# KiCad board MozzaSpacer.kicad_pcb
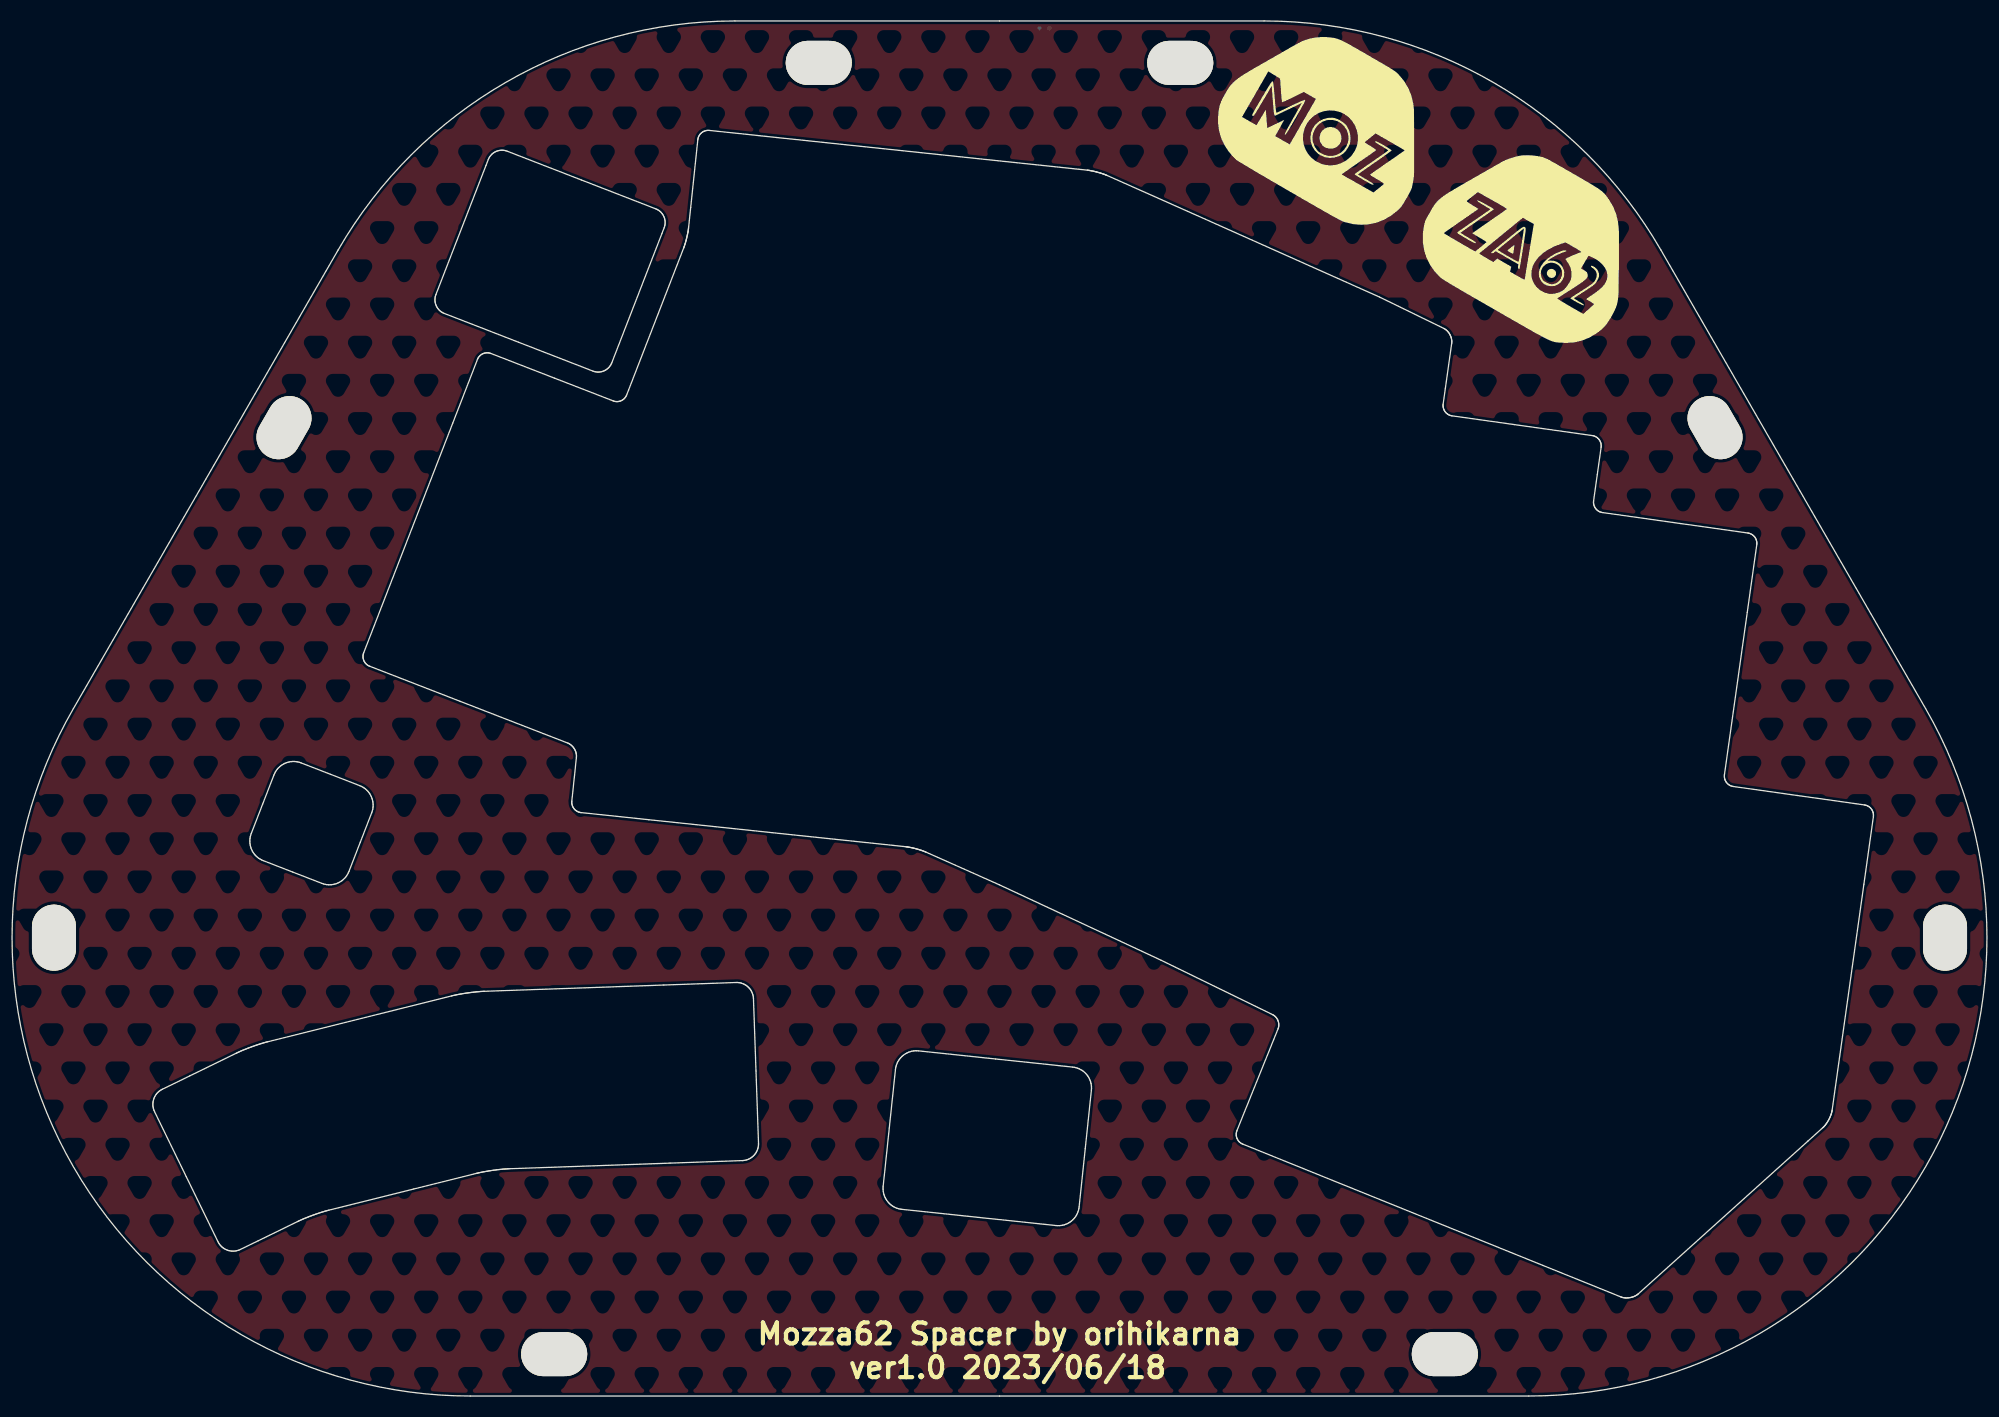
[diagram p0: board, top side]
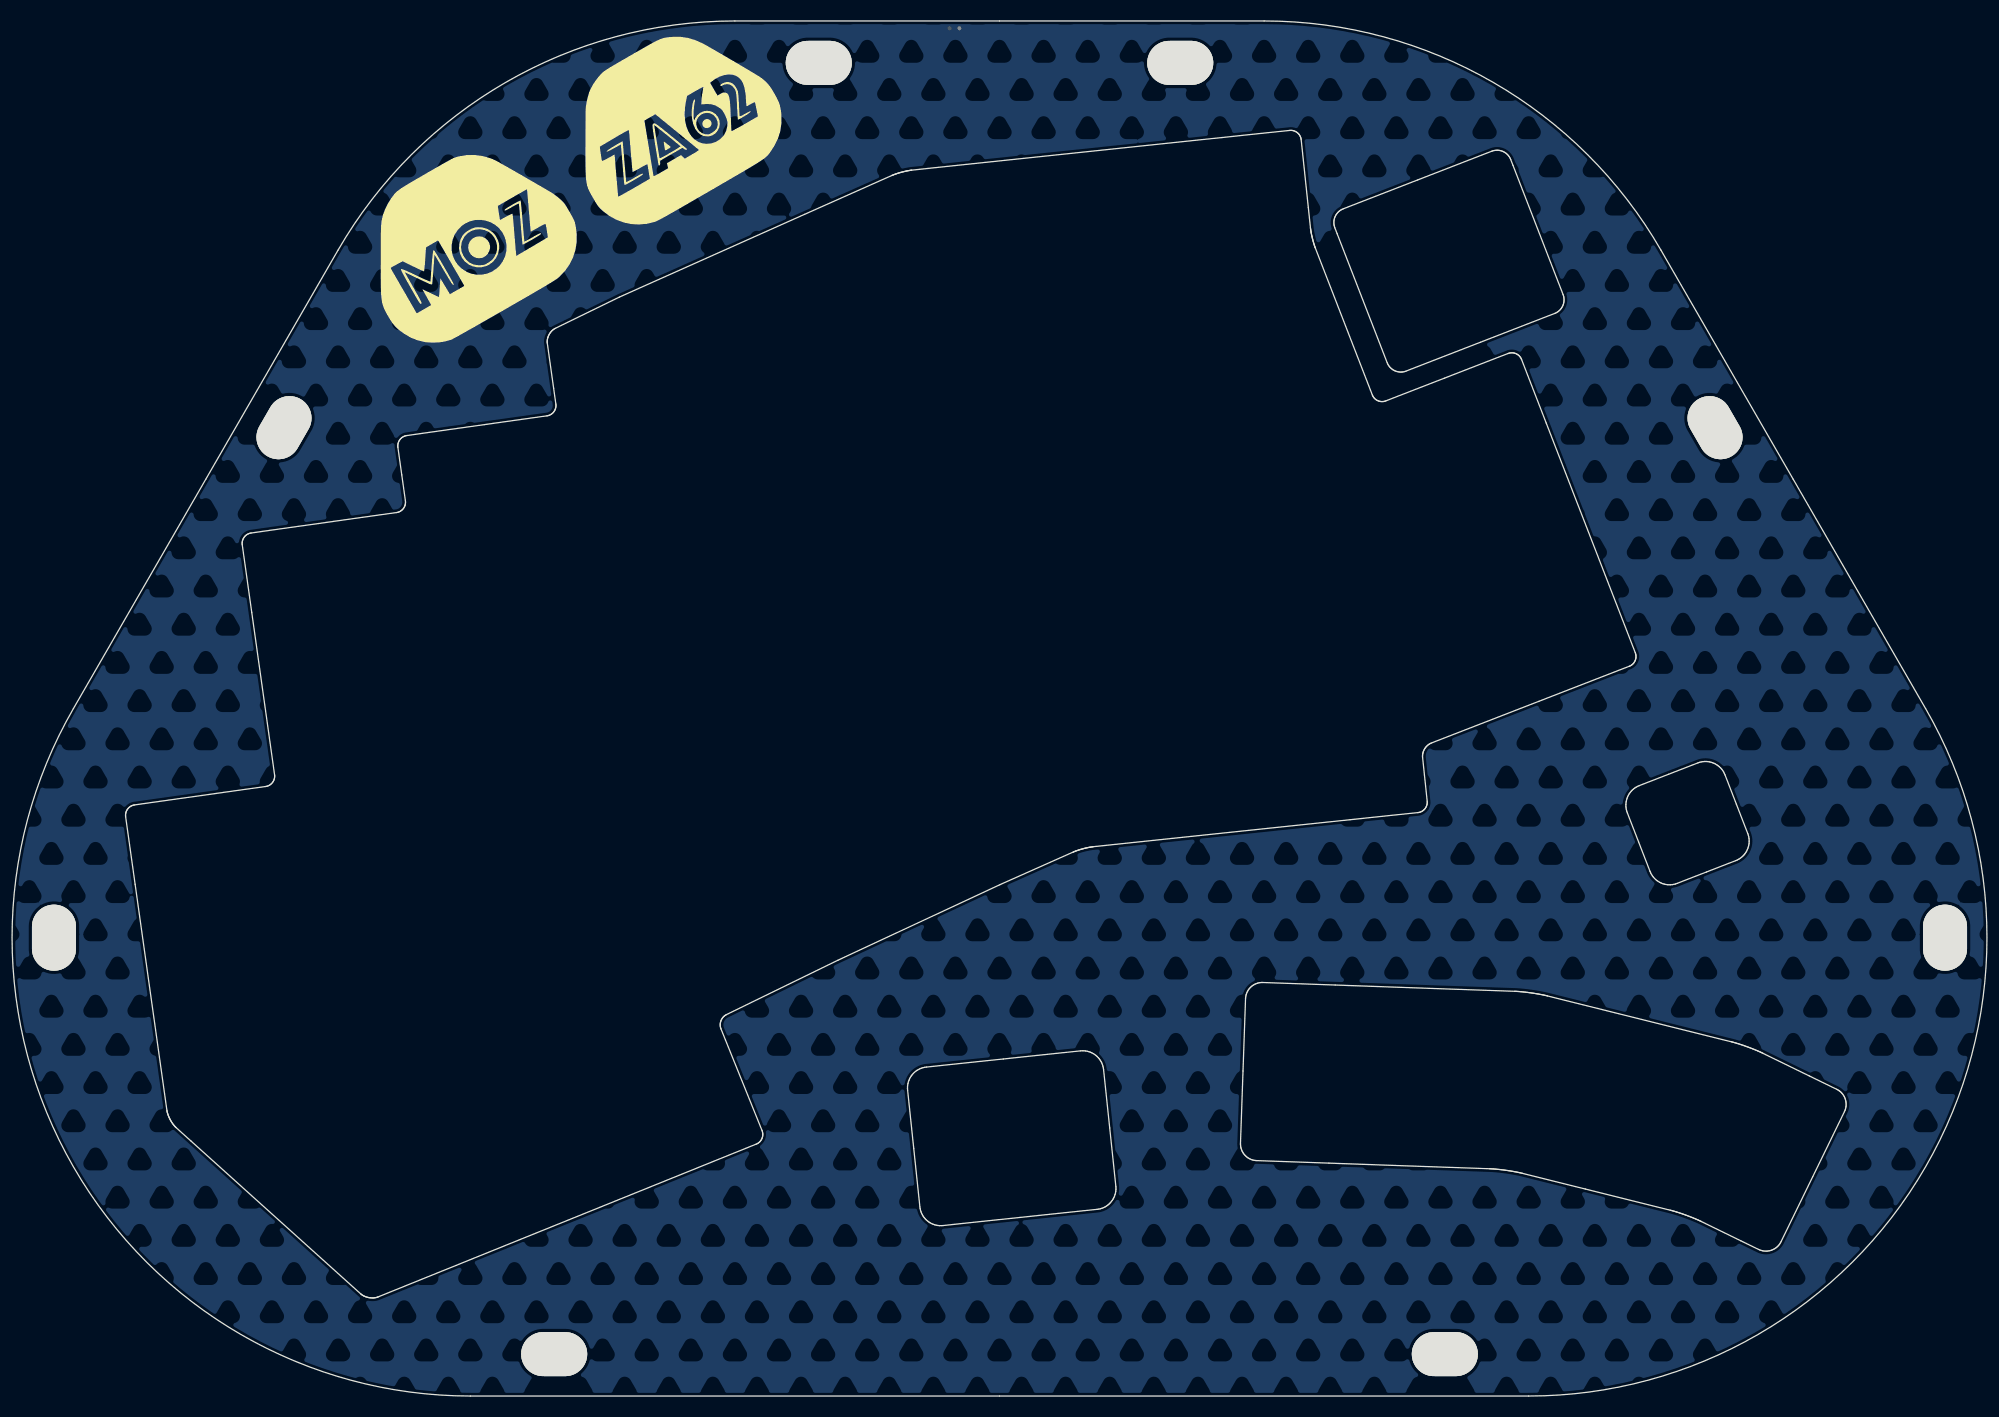
[diagram p1: board, bottom side, seen from below]

Outline 188.43 x 131.18 mm; copper layers: Top, Bottom. Coordinates in mm from the lower left corner of the outline.
Outline path: 5.86,65.59 5.86,65.59 18.48,87.45 31.1,109.31 arc(47.11,125.32) 68.97,131.18 68.97,131.18 119.46,131.18 arc(141.32,125.32) 157.33,109.31 169.95,87.45 182.57,65.59 arc(182.57,21.86) 144.71,0 94.22,0 43.73,0 arc(5.86,21.86) 5.86,65.59 ; 13.44,27.86 13.44,27.99 13.46,28.11 13.49,28.23 13.52,28.35 13.57,28.46 13.62,28.57 13.68,28.68 13.75,28.78 13.83,28.88 13.92,28.97 14.01,29.05 14.11,29.13 14.22,29.2 14.34,29.26 16.94,30.54 21.39,32.71 21.46,32.74 21.53,32.77 21.67,32.84 21.74,32.87 21.82,32.9 21.9,32.93 21.97,32.97 22.05,33 22.14,33.04 22.22,33.07 22.3,33.1 22.47,33.17 22.56,33.2 22.65,33.23 22.73,33.27 22.82,33.3 23,33.36 23.08,33.39 23.17,33.43 23.26,33.46 23.43,33.51 23.52,33.54 23.6,33.57 23.69,33.6 23.77,33.62 23.85,33.65 23.93,33.67 24.01,33.69 24.09,33.72 24.16,33.74 24.24,33.76 24.31,33.78 24.38,33.79 37.12,36.97 41.93,38.17 42,38.19 42.07,38.2 42.14,38.22 42.22,38.24 42.3,38.25 42.38,38.27 42.46,38.29 42.55,38.3 42.72,38.34 42.81,38.35 42.9,38.37 42.99,38.38 43.17,38.41 43.26,38.43 43.35,38.44 43.45,38.45 43.54,38.47 43.63,38.48 43.72,38.49 43.81,38.5 43.91,38.51 44,38.52 44.09,38.53 44.18,38.54 44.27,38.55 44.44,38.57 44.53,38.58 44.61,38.58 44.77,38.6 44.85,38.6 44.93,38.61 45.08,38.61 62.19,39.21 69.09,39.45 69.22,39.45 69.35,39.44 69.47,39.42 69.59,39.39 69.71,39.35 69.83,39.3 69.94,39.24 70.04,39.17 70.14,39.1 70.23,39.02 70.32,38.93 70.4,38.84 70.47,38.74 70.54,38.64 70.59,38.52 70.64,38.41 70.68,38.29 70.71,38.17 70.73,38.04 70.74,37.91 70.98,31.01 71.22,24.12 71.22,23.98 71.21,23.86 71.19,23.73 71.16,23.61 71.12,23.49 71.07,23.37 71.01,23.26 70.95,23.16 70.87,23.06 70.79,22.97 70.71,22.88 70.61,22.8 70.51,22.73 70.41,22.66 70.3,22.61 70.18,22.56 70.06,22.52 69.94,22.49 69.81,22.47 69.68,22.46 62.78,22.22 47.46,21.68 47.38,21.68 47.23,21.67 47.15,21.67 47.07,21.66 46.99,21.66 46.82,21.64 46.73,21.63 46.56,21.62 46.47,21.61 46.38,21.6 46.29,21.59 46.19,21.57 45.92,21.54 45.82,21.53 45.55,21.48 45.46,21.47 45.37,21.45 45.28,21.44 45.19,21.42 45.1,21.41 44.93,21.38 44.84,21.36 44.76,21.34 44.68,21.33 44.6,21.31 44.52,21.29 44.45,21.28 44.38,21.26 44.3,21.24 38.32,19.75 30.23,17.73 30.16,17.71 30.09,17.7 30.01,17.68 29.94,17.65 29.86,17.63 29.78,17.61 29.7,17.58 29.62,17.56 29.53,17.53 29.45,17.51 29.36,17.48 29.28,17.45 29.19,17.42 29.11,17.39 29.02,17.36 28.93,17.33 28.75,17.27 28.67,17.24 28.58,17.2 28.49,17.17 28.41,17.14 28.32,17.11 28.23,17.07 28.15,17.04 28.07,17.01 27.98,16.97 27.9,16.94 27.82,16.91 27.74,16.87 27.66,16.84 27.59,16.81 27.51,16.77 27.37,16.71 27.3,16.68 27.24,16.64 23.5,14.82 21.79,13.98 21.67,13.93 21.55,13.89 21.42,13.86 21.3,13.84 21.17,13.82 21.05,13.82 20.93,13.83 20.8,13.85 20.68,13.87 20.57,13.91 20.45,13.95 20.34,14.01 20.23,14.07 20.13,14.14 20.03,14.22 19.94,14.3 19.86,14.4 19.78,14.5 19.71,14.61 19.65,14.72 13.6,27.13 13.55,27.25 13.5,27.37 13.47,27.49 13.45,27.62 13.44,27.74 13.44,27.86 ; 22.69,52.88 22.69,53.04 22.7,53.19 22.73,53.35 22.77,53.51 22.82,53.66 23.91,56.46 24.99,59.26 25.06,59.41 25.13,59.55 25.22,59.68 25.32,59.81 25.42,59.93 25.53,60.03 25.65,60.13 25.78,60.22 25.91,60.3 26.05,60.36 26.19,60.42 26.34,60.47 26.49,60.5 26.64,60.52 26.8,60.53 26.95,60.53 27.11,60.52 27.27,60.49 27.43,60.45 27.58,60.4 30.38,59.31 33.17,58.23 33.33,58.16 33.47,58.09 33.6,58 33.73,57.91 33.84,57.8 33.95,57.69 34.05,57.57 34.14,57.44 34.21,57.31 34.28,57.17 34.34,57.03 34.38,56.88 34.42,56.73 34.44,56.58 34.45,56.42 34.45,56.27 34.44,56.11 34.41,55.95 34.37,55.8 34.32,55.64 33.23,52.84 32.15,50.05 32.08,49.9 32,49.75 31.92,49.62 31.82,49.49 31.72,49.38 31.61,49.27 31.49,49.17 31.36,49.09 31.23,49.01 31.09,48.94 30.95,48.88 30.8,48.84 30.65,48.8 30.5,48.78 30.34,48.77 30.18,48.77 30.03,48.79 29.87,48.81 29.71,48.85 29.56,48.91 26.76,49.99 23.96,51.08 23.81,51.14 23.67,51.22 23.54,51.3 23.41,51.4 23.3,51.5 23.19,51.62 23.09,51.74 23,51.86 22.93,52 22.86,52.13 22.8,52.28 22.76,52.42 22.72,52.57 22.7,52.73 22.69,52.88 ; 33.49,70.52 33.49,70.6 33.49,70.68 33.51,70.76 33.53,70.83 33.55,70.91 42.05,92.82 44.4,98.88 44.44,98.96 44.47,99.03 44.52,99.1 44.57,99.16 44.62,99.22 44.67,99.27 44.73,99.32 44.8,99.36 44.86,99.4 44.93,99.44 45,99.47 45.08,99.49 45.15,99.51 45.23,99.52 45.31,99.52 45.38,99.52 45.46,99.51 45.54,99.5 45.62,99.48 45.7,99.45 51.76,97.1 57.35,94.93 57.43,94.91 57.51,94.89 57.59,94.87 57.66,94.87 57.74,94.87 57.82,94.87 57.9,94.88 57.97,94.9 58.05,94.92 58.12,94.95 58.19,94.99 58.25,95.02 58.32,95.07 58.38,95.12 58.43,95.17 58.48,95.23 58.53,95.29 58.57,95.36 58.61,95.43 58.65,95.5 58.83,95.97 64.08,109.52 64.1,109.56 64.11,109.61 64.13,109.65 64.15,109.7 64.18,109.8 64.2,109.85 64.21,109.9 64.23,109.95 64.24,110 64.26,110.06 64.27,110.11 64.29,110.16 64.3,110.22 64.32,110.28 64.35,110.39 64.36,110.44 64.38,110.5 64.39,110.56 64.4,110.61 64.41,110.67 64.44,110.78 64.45,110.84 64.46,110.89 64.49,111.06 64.51,111.16 64.52,111.21 64.53,111.31 64.54,111.4 64.55,111.45 64.75,113.38 65.43,119.84 65.44,119.93 65.46,120 65.49,120.08 65.51,120.15 65.55,120.22 65.59,120.29 65.64,120.35 65.68,120.41 65.74,120.47 65.8,120.52 65.86,120.56 65.92,120.6 65.99,120.64 66.06,120.67 66.13,120.7 66.21,120.72 66.29,120.73 66.37,120.74 66.45,120.74 66.53,120.73 72.99,120.06 102.58,116.95 102.63,116.94 102.68,116.93 102.78,116.92 102.83,116.91 102.88,116.9 102.93,116.89 102.99,116.88 103.04,116.87 103.1,116.86 103.21,116.84 103.27,116.82 103.32,116.81 103.38,116.8 103.44,116.78 103.5,116.77 103.55,116.75 103.61,116.74 103.73,116.7 103.78,116.69 103.84,116.67 103.89,116.65 103.95,116.64 104.06,116.6 104.11,116.58 104.21,116.55 104.26,116.53 104.31,116.51 104.36,116.49 104.45,116.45 104.49,116.43 112.82,112.73 130.48,104.84 136.6,101.85 136.66,101.82 136.72,101.78 136.78,101.74 136.84,101.7 136.89,101.65 136.94,101.6 136.99,101.55 137.04,101.5 137.08,101.44 137.12,101.38 137.16,101.32 137.2,101.25 137.23,101.19 137.26,101.12 137.29,101.05 137.31,100.98 137.33,100.91 137.34,100.84 137.36,100.77 137.37,100.7 137.37,100.63 137.37,100.56 137.37,100.49 137.36,100.42 136.76,96.12 136.55,94.64 136.54,94.55 136.54,94.47 136.54,94.39 136.55,94.32 136.57,94.24 136.59,94.17 136.62,94.09 136.66,94.02 136.7,93.96 136.74,93.9 136.79,93.84 136.84,93.78 136.9,93.73 136.96,93.68 137.02,93.64 137.09,93.6 137.16,93.57 137.24,93.54 137.32,93.52 137.4,93.51 143.34,92.67 150.77,91.63 150.85,91.61 150.93,91.59 151,91.57 151.07,91.53 151.14,91.5 151.21,91.45 151.27,91.41 151.32,91.35 151.38,91.3 151.43,91.24 151.47,91.18 151.51,91.11 151.54,91.04 151.57,90.97 151.59,90.89 151.61,90.82 151.62,90.74 151.63,90.66 151.63,90.58 151.62,90.5 151.25,87.88 150.9,85.41 150.89,85.33 150.89,85.25 150.9,85.17 150.91,85.09 150.93,85.01 150.95,84.94 150.98,84.87 151.01,84.8 151.05,84.73 151.09,84.67 151.14,84.61 151.2,84.55 151.25,84.5 151.31,84.45 151.38,84.41 151.45,84.37 151.52,84.34 151.59,84.31 151.67,84.29 151.75,84.28 159.18,83.24 165.62,82.33 165.7,82.32 165.78,82.3 165.85,82.27 165.92,82.24 165.99,82.2 166.06,82.16 166.12,82.11 166.18,82.06 166.23,82 166.28,81.94 166.32,81.88 166.36,81.81 166.39,81.74 166.42,81.67 166.44,81.6 166.46,81.52 166.47,81.44 166.48,81.36 166.48,81.28 166.47,81.2 165.56,74.76 163.39,59.28 163.38,59.2 163.38,59.11 163.38,59.03 163.39,58.96 163.41,58.88 163.43,58.81 163.46,58.73 163.5,58.67 163.53,58.6 163.58,58.54 163.63,58.48 163.68,58.42 163.74,58.37 163.8,58.32 163.86,58.28 163.93,58.24 164,58.21 164.08,58.18 164.16,58.16 164.24,58.15 170.31,57.29 176.74,56.39 176.82,56.38 176.9,56.35 176.98,56.33 177.05,56.3 177.12,56.26 177.18,56.22 177.24,56.17 177.3,56.12 177.35,56.06 177.4,56 177.45,55.94 177.49,55.87 177.52,55.8 177.55,55.73 177.57,55.66 177.59,55.58 177.6,55.5 177.6,55.42 177.6,55.34 177.6,55.26 176.69,48.82 173.66,27.27 173.65,27.21 173.64,27.16 173.63,27.1 173.62,27.05 173.6,26.99 173.58,26.93 173.56,26.87 173.54,26.81 173.52,26.75 173.5,26.69 173.47,26.64 173.45,26.58 173.42,26.52 173.36,26.4 173.33,26.34 173.3,26.28 173.26,26.23 173.23,26.17 173.2,26.12 173.16,26.06 173.12,26.01 173.09,25.96 173.05,25.91 173.01,25.86 172.97,25.81 172.94,25.77 172.9,25.72 172.86,25.68 172.82,25.64 172.78,25.61 171.36,24.33 155.17,9.75 155.12,9.71 155.07,9.67 155.02,9.63 154.96,9.6 154.9,9.57 154.84,9.54 154.78,9.51 154.71,9.48 154.65,9.46 154.58,9.44 154.51,9.42 154.44,9.4 154.37,9.39 154.3,9.38 154.23,9.37 154.16,9.36 154.09,9.36 154.02,9.36 153.95,9.36 153.88,9.37 153.82,9.37 153.75,9.39 153.69,9.4 153.62,9.42 153.56,9.43 153.5,9.46 146.08,12.46 117.43,24.03 117.35,24.06 117.28,24.1 117.22,24.15 117.15,24.2 117.1,24.25 117.04,24.31 117,24.37 116.95,24.43 116.91,24.5 116.88,24.57 116.85,24.64 116.83,24.71 116.82,24.79 116.81,24.87 116.8,24.94 116.8,25.02 116.81,25.1 116.83,25.18 116.85,25.26 116.87,25.33 120.36,33.97 120.79,35.02 120.82,35.1 120.84,35.17 120.85,35.25 120.86,35.32 120.86,35.4 120.86,35.47 120.86,35.55 120.84,35.62 120.83,35.7 120.8,35.77 120.78,35.84 120.75,35.91 120.71,35.98 120.67,36.04 120.62,36.1 120.57,36.16 120.52,36.21 120.46,36.26 120.4,36.31 120.33,36.35 120.27,36.39 109.63,41.58 94.19,48.77 87.2,51.89 87.15,51.91 87.11,51.93 87.06,51.94 87.02,51.96 86.97,51.98 86.92,52 86.87,52.02 86.81,52.04 86.71,52.07 86.65,52.09 86.6,52.11 86.54,52.13 86.49,52.14 86.43,52.16 86.37,52.18 86.32,52.19 86.26,52.21 86.2,52.22 86.14,52.24 86.09,52.25 86.03,52.27 85.86,52.3 85.8,52.32 85.69,52.34 85.64,52.35 85.53,52.37 85.43,52.38 85.38,52.39 85.29,52.4 60.76,54.98 54.3,55.66 54.22,55.67 54.14,55.69 54.06,55.71 53.99,55.74 53.92,55.78 53.85,55.82 53.79,55.86 53.73,55.91 53.68,55.96 53.63,56.02 53.58,56.08 53.54,56.15 53.5,56.22 53.47,56.29 53.45,56.36 53.43,56.44 53.41,56.51 53.41,56.59 53.4,56.67 53.41,56.76 53.67,59.24 53.85,60.93 53.85,61 53.85,61.08 53.85,61.15 53.84,61.22 53.83,61.29 53.81,61.37 53.79,61.44 53.77,61.51 53.74,61.58 53.7,61.64 53.67,61.71 53.63,61.77 53.59,61.84 53.54,61.9 53.49,61.95 53.44,62.01 53.39,62.06 53.33,62.11 53.28,62.15 53.21,62.19 53.15,62.23 53.09,62.26 53.02,62.29 42.73,66.28 34.13,69.62 34.05,69.65 33.98,69.69 33.91,69.73 33.85,69.78 33.79,69.83 33.74,69.89 33.69,69.95 33.64,70.01 33.61,70.08 33.57,70.15 33.54,70.22 33.52,70.29 33.5,70.37 33.49,70.44 33.49,70.52 ; 40.35,104.54 40.35,104.65 40.36,104.76 40.38,104.87 40.41,104.98 40.45,105.09 45.22,117.39 45.44,117.95 45.48,118.06 45.54,118.16 45.6,118.25 45.66,118.34 45.74,118.42 45.81,118.5 45.9,118.56 45.99,118.63 46.08,118.68 46.18,118.73 46.28,118.77 46.38,118.8 46.48,118.82 46.59,118.84 46.7,118.85 46.81,118.84 46.92,118.84 47.03,118.82 47.14,118.79 47.25,118.75 54.33,116 61.42,113.25 61.52,113.21 61.62,113.16 61.72,113.1 61.81,113.03 61.89,112.96 61.96,112.88 62.03,112.79 62.09,112.7 62.15,112.61 62.19,112.51 62.23,112.41 62.27,112.31 62.29,112.21 62.31,112.1 62.31,111.99 62.31,111.88 62.3,111.77 62.28,111.66 62.26,111.55 62.22,111.44 62,110.88 57.23,98.58 57.18,98.47 57.13,98.37 57.07,98.28 57,98.19 56.93,98.11 56.85,98.03 56.77,97.97 56.68,97.9 56.58,97.85 56.49,97.8 56.39,97.76 56.28,97.73 56.18,97.71 56.07,97.69 55.96,97.68 55.85,97.68 55.74,97.69 55.63,97.71 55.53,97.74 55.42,97.78 48.33,100.53 41.25,103.27 41.14,103.32 41.04,103.37 40.95,103.43 40.86,103.5 40.78,103.57 40.7,103.65 40.63,103.74 40.57,103.83 40.52,103.92 40.47,104.02 40.43,104.12 40.4,104.22 40.38,104.32 40.36,104.43 40.35,104.54 ; 83.11,19.84 83.12,20.01 83.7,25.58 84.29,31.15 84.31,31.31 84.35,31.47 84.4,31.62 84.45,31.77 84.53,31.91 84.61,32.04 84.7,32.16 84.79,32.28 84.9,32.39 85.02,32.49 85.14,32.58 85.27,32.67 85.41,32.74 85.55,32.8 85.69,32.85 85.85,32.89 86,32.92 86.16,32.94 86.32,32.94 86.49,32.93 93.84,32.15 101.2,31.38 101.37,31.36 101.52,31.32 101.68,31.27 101.82,31.21 101.96,31.14 102.1,31.06 102.22,30.97 102.34,30.87 102.45,30.77 102.55,30.65 102.64,30.53 102.72,30.4 102.8,30.26 102.86,30.12 102.91,29.97 102.95,29.82 102.98,29.67 102.99,29.51 102.99,29.35 102.98,29.18 102.4,23.61 101.81,18.04 101.79,17.88 101.75,17.72 101.71,17.57 101.65,17.43 101.58,17.29 101.5,17.15 101.41,17.03 101.31,16.91 101.2,16.8 101.08,16.7 100.96,16.61 100.83,16.52 100.69,16.45 100.55,16.39 100.41,16.34 100.25,16.3 100.1,16.27 99.94,16.26 99.78,16.25 99.62,16.26 92.26,17.04 84.9,17.81 84.73,17.83 84.58,17.87 84.42,17.92 84.28,17.98 84.14,18.05 84.01,18.13 83.88,18.22 83.76,18.32 83.65,18.43 83.55,18.54 83.46,18.66 83.38,18.79 83.3,18.93 83.24,19.07 83.19,19.22 83.15,19.37 83.12,19.52 83.11,19.68 83.11,19.84

## Placement (name value [footprint] x y rotation side)
G1  LOGO  [mozza62_logo]  135.42 115.82 330 top
G2  LOGO  [mozza62_logo]  135.42 115.82 150 bottom
H1  MountingHole  [SpacerHole_M2_4mm]  136.71 4 0 top
H2  MountingHole  [SpacerHole_M2_4mm]  51.73 4 0 top
H3  MountingHole  [SpacerHole_M2_4mm]  184.43 43.73 90 top
H4  MountingHole  [SpacerHole_M2_4mm]  4 43.73 270 top
H5  MountingHole  [SpacerHole_M2_4mm]  162.49 92.38 120 top
H6  MountingHole  [SpacerHole_M2_4mm]  25.95 92.38 240 top
H7  MountingHole  [SpacerHole_M2_4mm]  111.46 127.18 0 top
H8  MountingHole  [SpacerHole_M2_4mm]  76.97 127.18 0 top
P1  -  [DummyPad]  98.98 130.48 0 top
P2  -  [DummyPad]  98.04 130.48 180 bottom

## Footprints (pads in the part's own frame, mm; a bottom-side part is the same pattern mirrored in y, then rotated)
DummyPad
  round 0.4 smd: 1(0,0)
SpacerHole_M2_4mm
  oval 6.3x4.2 hole 6.3x4.2 unplated: (0,0)

## Nets
GND: P1.1 P2.1

## Copper pours and planes (outline as drawn; the poured copper is in the pictures)
GND on Top: -0.08,131.32 188.92,131.32 188.92,-0.68 -0.08,-0.68
GND on Bottom: -0.08,131.32 188.92,131.32 188.92,-0.68 -0.08,-0.68

## Text on the board
F.Silkscreen: Mozza62 Spacer by orihikarna / ver1.0 2023/06/18
